# KiCad board backplane.kicad_pcb (continued)
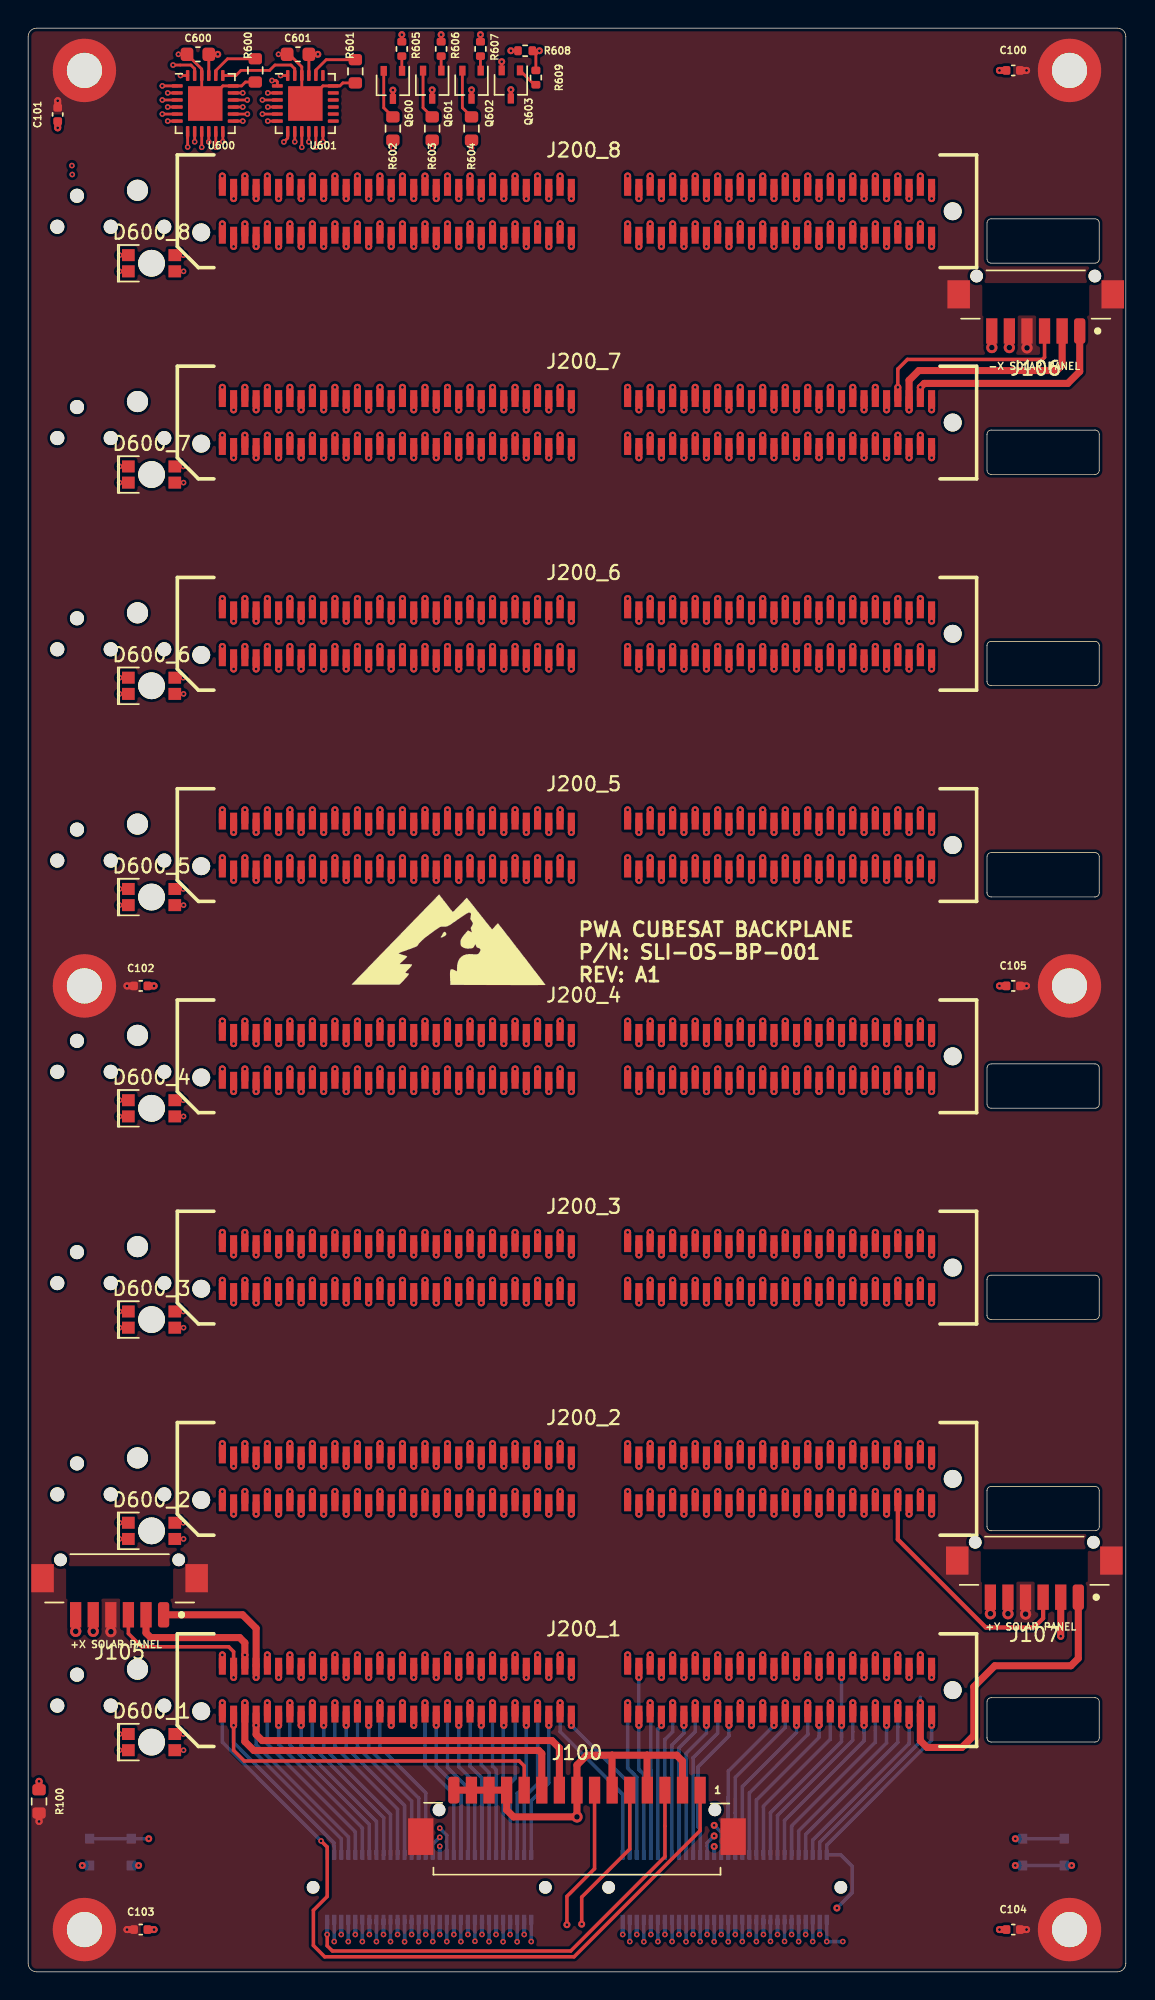
[diagram p0: board, top side]
## Routing (per net, layer and track width the routed paths; a pad name or vN(x,y) marks a point on that pad's centre or on a via; arc(x,y) is an arc through that point) (continued)
/H2-33: length 126.4
  Top w0.5: v1(46.6,122.5) 46.6,123.4 ; v1(46.6,17.5) 46.6,18.4 ; v1(46.6,32.5) 46.6,33.4 ; v1(46.6,47.5) 46.6,48.4 ; v1(46.6,62.5) 46.6,63.4 ; v1(46.6,77.5) 46.6,78.4 ; v1(46.6,92.5) 46.6,93.4 ; v1(46.6,107.5) 46.6,108.4
  In4.Cu w0.5: 46.6,122.5 46.6,112.1 45.8,111.3 45.8,110.28 46.6,109.48 v1(46.6,107.5) ; 46.6,32.5 46.6,22.1 45.8,21.3 45.8,20.28 46.6,19.48 v1(46.6,17.5) ; 46.6,47.5 46.6,37.1 45.8,36.3 45.8,35.28 46.6,34.48 v1(46.6,32.5) ; 46.6,62.5 46.6,52.1 45.8,51.3 45.8,50.28 46.6,49.48 v1(46.6,47.5) ; 46.6,77.5 46.6,67.1 45.8,66.3 45.8,65.28 46.6,64.48 v1(46.6,62.5) ; 46.6,92.5 46.6,82.1 45.8,81.3 45.8,80.28 46.6,79.48 v1(46.6,77.5) ; 46.6,107.5 46.6,97.1 45.8,96.3 45.8,95.28 46.6,94.48 v1(46.6,92.5)
  Bottom w0.25: v1(46.6,17.5) 46.6,16.95 45.75,16.1 J301.15
/H2-34: length 137.5
  Top w0.5: v1(46.6,125.9) 46.6,126.8 ; v1(46.6,20.9) 46.6,21.8 ; v1(46.6,35.9) 46.6,36.8 ; v1(46.6,50.9) 46.6,51.8 ; v1(46.6,65.9) 46.6,66.8 ; v1(46.6,80.9) 46.6,81.8 ; v1(46.6,95.9) 46.6,96.8 ; v1(46.6,110.9) 46.6,111.8
  In2.Cu w0.25: v1(46.6,20.9) 46.6,18.84 45.76,18 v2(45.76,2.15)
  In2.Cu w0.5: 46.6,125.9 46.6,123.68 45.8,122.87 45.8,122.3 46.6,121.5 v1(46.6,110.9) ; 46.6,110.9 46.6,108.68 45.8,107.87 45.8,107.3 46.6,106.5 v1(46.6,95.9) ; 46.6,95.9 46.6,93.68 45.8,92.87 45.8,92.3 46.6,91.5 v1(46.6,80.9) ; v1(46.6,50.9) 46.6,61.5 45.8,62.3 45.8,62.87 46.6,63.68 46.6,65.9 ; 46.6,50.9 46.6,48.68 45.8,47.87 45.8,47.3 46.6,46.5 v1(46.6,35.9) ; 46.6,80.9 46.6,78.68 45.8,77.87 45.8,77.3 46.6,76.5 v1(46.6,65.9) ; 46.6,35.9 46.6,33.68 45.8,32.87 45.8,32.3 46.6,31.5 v1(46.6,20.9)
  Bottom w0.25: 45.76,3.7 v2(45.76,2.15)
/H2-35: length 126.6
  Top w0.5: v1(48.2,122.5) 48.2,123.4 ; v1(48.2,17.5) 48.2,18.4 ; v1(48.2,32.5) 48.2,33.4 ; v1(48.2,47.5) 48.2,48.4 ; v1(48.2,62.5) 48.2,63.4 ; v1(48.2,77.5) 48.2,78.4 ; v1(48.2,92.5) 48.2,93.4 ; v1(48.2,107.5) 48.2,108.4
  In4.Cu w0.5: 48.2,122.5 48.2,112.1 47.4,111.3 47.4,110.28 48.2,109.48 v1(48.2,107.5) ; 48.2,32.5 48.2,22.1 47.4,21.3 47.4,20.28 48.2,19.48 v1(48.2,17.5) ; 48.2,47.5 48.2,37.1 47.4,36.3 47.4,35.28 48.2,34.48 v1(48.2,32.5) ; 48.2,62.5 48.2,52.1 47.4,51.3 47.4,50.28 48.2,49.48 v1(48.2,47.5) ; 48.2,77.5 48.2,67.1 47.4,66.3 47.4,65.28 48.2,64.48 v1(48.2,62.5) ; 48.2,92.5 48.2,82.1 47.4,81.3 47.4,80.28 48.2,79.48 v1(48.2,77.5) ; 48.2,107.5 48.2,97.1 47.4,96.3 47.4,95.28 48.2,94.48 v1(48.2,92.5)
  Bottom w0.25: v1(48.2,17.5) 48.2,16.95 46.75,15.5 J301.19
/H2-36: length 137.7
  Top w0.5: v1(48.2,125.9) 48.2,126.8 ; v1(48.2,20.9) 48.2,21.8 ; v1(48.2,35.9) 48.2,36.8 ; v1(48.2,50.9) 48.2,51.8 ; v1(48.2,65.9) 48.2,66.8 ; v1(48.2,80.9) 48.2,81.8 ; v1(48.2,95.9) 48.2,96.8 ; v1(48.2,110.9) 48.2,111.8
  In2.Cu w0.25: v2(46.75,2.14) 46.75,16.4 47.37,17.02 47.37,17.77 48.2,18.6 v1(48.2,20.9)
  In2.Cu w0.5: 48.2,125.9 48.2,123.68 47.4,122.87 47.4,122.3 48.2,121.5 v1(48.2,110.9) ; 48.2,110.9 48.2,108.68 47.4,107.87 47.4,107.3 48.2,106.5 v1(48.2,95.9) ; 48.2,95.9 48.2,93.68 47.4,92.87 47.4,92.3 48.2,91.5 v1(48.2,80.9) ; v1(48.2,50.9) 48.2,61.5 47.4,62.3 47.4,62.87 48.2,63.68 48.2,65.9 ; v1(48.2,35.9) 48.2,46.5 47.4,47.3 47.4,47.87 48.2,48.68 48.2,50.9 ; 48.2,80.9 48.2,78.68 47.4,77.87 47.4,77.3 48.2,76.5 v1(48.2,65.9) ; v1(48.2,20.9) 48.2,31.5 47.4,32.3 47.4,32.87 48.2,33.68 48.2,35.9
  Bottom w0.25: 46.75,3.69 v2(46.75,2.14)
/H2-37: length 127
  Top w0.5: v1(49.8,122.5) 49.8,123.4 ; v1(49.8,17.5) 49.8,18.4 ; v1(49.8,32.5) 49.8,33.4 ; v1(49.8,47.5) 49.8,48.4 ; v1(49.8,62.5) 49.8,63.4 ; v1(49.8,77.5) 49.8,78.4 ; v1(49.8,92.5) 49.8,93.4 ; v1(49.8,107.5) 49.8,108.4
  In4.Cu w0.5: 49.8,122.5 49.8,112.1 49,111.3 49,110.28 49.8,109.48 v1(49.8,107.5) ; 49.8,32.5 49.8,22.1 49,21.3 49,20.28 49.8,19.48 v1(49.8,17.5) ; 49.8,47.5 49.8,37.1 49,36.3 49,35.28 49.8,34.48 v1(49.8,32.5) ; 49.8,62.5 49.8,52.1 49,51.3 49,50.28 49.8,49.48 v1(49.8,47.5) ; 49.8,77.5 49.8,67.1 49,66.3 49,65.28 49.8,64.48 v1(49.8,62.5) ; 49.8,92.5 49.8,82.1 49,81.3 49,80.28 49.8,79.48 v1(49.8,77.5) ; 49.8,107.5 49.8,97.1 49,96.3 49,95.28 49.8,94.48 v1(49.8,92.5)
  Bottom w0.25: v1(49.8,17.5) 49.8,16.75 47.6,14.55 47.6,10.3 47.75,10.15 J301.23
/H2-38: length 138
  Top w0.5: v1(49.8,125.9) 49.8,126.8 ; v1(49.8,20.9) 49.8,21.8 ; v1(49.8,35.9) 49.8,36.8 ; v1(49.8,50.9) 49.8,51.8 ; v1(49.8,65.9) 49.8,66.8 ; v1(49.8,80.9) 49.8,81.8 ; v1(49.8,95.9) 49.8,96.8 ; v1(49.8,110.9) 49.8,111.8
  In2.Cu w0.25: v1(49.8,20.9) 49.8,18.77 49.03,18 49.03,17.25 47.75,15.97 v2(47.75,2.15)
  In2.Cu w0.5: 49.8,125.9 49.8,123.68 49,122.87 49,122.3 49.8,121.5 v1(49.8,110.9) ; 49.8,110.9 49.8,108.68 49,107.87 49,107.3 49.8,106.5 v1(49.8,95.9) ; 49.8,95.9 49.8,93.68 49,92.87 49,92.3 49.8,91.5 v1(49.8,80.9) ; v1(49.8,50.9) 49.8,61.5 49,62.3 49,62.87 49.8,63.68 49.8,65.9 ; 49.8,50.9 49.8,48.68 49,47.87 49,47.3 49.8,46.5 v1(49.8,35.9) ; 49.8,80.9 49.8,78.68 49,77.87 49,77.3 49.8,76.5 v1(49.8,65.9) ; 49.8,35.9 49.8,33.68 49,32.87 49,32.3 49.8,31.5 v1(49.8,20.9)
  Bottom w0.25: J301.24 v2(47.75,2.15)
/H2-39: length 127.1
  Top w0.5: v1(51.4,122.5) 51.4,123.4 ; v1(51.4,17.5) 51.4,18.4 ; v1(51.4,32.5) 51.4,33.4 ; v1(51.4,47.5) 51.4,48.4 ; v1(51.4,62.5) 51.4,63.4 ; v1(51.4,77.5) 51.4,78.4 ; v1(51.4,92.5) 51.4,93.4 ; v1(51.4,107.5) 51.4,108.4
  In1.Cu w0.25: v1(48.75,8.9) 51.4,11.55 v1(51.4,17.5)
  In4.Cu w0.5: 51.4,122.5 51.4,112.1 50.6,111.3 50.6,110.28 51.4,109.48 v1(51.4,107.5) ; 51.4,32.5 51.4,22.1 50.6,21.3 50.6,20.28 51.4,19.48 v1(51.4,17.5) ; 51.4,47.5 51.4,37.1 50.6,36.3 50.6,35.28 51.4,34.48 v1(51.4,32.5) ; 51.4,62.5 51.4,52.1 50.6,51.3 50.6,50.28 51.4,49.48 v1(51.4,47.5) ; 51.4,77.5 51.4,67.1 50.6,66.3 50.6,65.28 51.4,64.48 v1(51.4,62.5) ; 51.4,92.5 51.4,82.1 50.6,81.3 50.6,80.28 51.4,79.48 v1(51.4,77.5) ; 51.4,107.5 51.4,97.1 50.6,96.3 50.6,95.28 51.4,94.48 v1(51.4,92.5)
  Bottom w0.25: v1(48.75,8.9) J301.27
/H2-40: length 138.9
  Top w0.5: v1(51.4,125.9) 51.4,126.8 ; v1(51.4,20.9) 51.4,21.8 ; v1(51.4,35.9) 51.4,36.8 ; v1(51.4,50.9) 51.4,51.8 ; v1(51.4,65.9) 51.4,66.8 ; v1(51.4,80.9) 51.4,81.8 ; v1(51.4,95.9) 51.4,96.8 ; v1(51.4,110.9) 51.4,111.8
  In1.Cu w0.25: v1(51.4,20.9) 51.4,18.55 52.2,17.75 52.2,11.1 48.75,7.65 v2(48.75,2.14)
  In2.Cu w0.5: 51.4,125.9 51.4,123.68 50.6,122.87 50.6,122.3 51.4,121.5 v1(51.4,110.9) ; v1(51.4,95.9) 51.4,106.5 50.6,107.3 50.6,107.87 51.4,108.68 51.4,110.9 ; v1(51.4,80.9) 51.4,91.5 50.6,92.3 50.6,92.87 51.4,93.68 51.4,95.9 ; v1(51.4,65.9) 51.4,76.5 50.6,77.3 50.6,77.87 51.4,78.68 51.4,80.9 ; 51.4,50.9 51.4,48.68 50.6,47.87 50.6,47.3 51.4,46.5 v1(51.4,35.9) ; v1(51.4,50.9) 51.4,61.5 50.6,62.3 50.6,62.87 51.4,63.68 51.4,65.9 ; 51.4,35.9 51.4,33.68 50.6,32.87 50.6,32.3 51.4,31.5 v1(51.4,20.9)
  Bottom w0.25: 48.75,3.69 v2(48.75,2.14)
/H2-41: length 131.5
  Top w0.5: v1(53,122.5) 53,123.4 ; v1(53,17.5) 53,18.4 ; v1(53,32.5) 53,33.4 ; v1(53,47.5) 53,48.4 ; v1(53,62.5) 53,63.4 ; v1(53,77.5) 53,78.4 ; v1(53,92.5) 53,93.4 ; v1(53,107.5) 53,108.4
  In4.Cu w0.5: 53,122.5 53,112.1 52.2,111.3 52.2,110.28 53,109.48 v1(53,107.5) ; v1(53,17.5) 53,19.48 52.2,20.28 52.2,21.3 53,22.1 53,32.5 ; v1(53,32.5) 53,34.48 52.2,35.28 52.2,36.3 53,37.1 53,47.5 ; v1(53,47.5) 53,49.48 52.2,50.28 52.2,51.3 53,52.1 53,62.5 ; v1(53,62.5) 53,64.48 52.2,65.28 52.2,66.3 53,67.1 53,77.5 ; v1(53,77.5) 53,79.48 52.2,80.28 52.2,81.3 53,82.1 53,92.5 ; v1(53,92.5) 53,94.48 52.2,95.28 52.2,96.3 53,97.1 53,107.5
  Bottom w0.25: 49.75,10.95 49.75,12.46 ; 49.75,10.95 49.75,14.25 v1(53,17.5) ; 49.75,10.95 J301.31 49.75,10.96
/H2-42: length 138.5
  Top w0.5: v1(53,125.9) 53,126.8 ; v1(53,20.9) 53,21.8 ; v1(53,35.9) 53,36.8 ; v1(53,50.9) 53,51.8 ; v1(53,65.9) 53,66.8 ; v1(53,80.9) 53,81.8 ; v1(53,95.9) 53,96.8 ; v1(53,110.9) 53,111.8
  In2.Cu w0.25: v1(53,20.9) 53,18.68 52.22,17.9 52.21,17.9 52.21,12.13 49.75,9.67 v2(49.75,2.14)
  In2.Cu w0.5: 53,125.9 53,123.68 52.2,122.87 52.2,122.3 53,121.5 v1(53,110.9) ; v1(53,95.9) 53,106.5 52.2,107.3 52.2,107.87 53,108.68 53,110.9 ; v1(53,80.9) 53,91.5 52.2,92.3 52.2,92.87 53,93.68 53,95.9 ; v1(53,35.9) 53,46.5 52.2,47.3 52.2,47.87 53,48.68 53,50.9 ; v1(53,65.9) 53,76.5 52.2,77.3 52.2,77.87 53,78.68 53,80.9 ; v1(53,50.9) 53,61.5 52.2,62.3 52.2,62.87 53,63.68 53,65.9 ; v1(53,20.9) 53,31.5 52.2,32.3 52.2,32.87 53,33.68 53,35.9
  Bottom w0.25: 49.75,3.69 v2(49.75,2.14)
/H2-43: length 127.6
  Top w0.5: v1(54.6,122.5) 54.6,123.4 ; v1(54.6,17.5) 54.6,18.4 ; v1(54.6,32.5) 54.6,33.4 ; v1(54.6,47.5) 54.6,48.4 ; v1(54.6,62.5) 54.6,63.4 ; v1(54.6,77.5) 54.6,78.4 ; v1(54.6,92.5) 54.6,93.4 ; v1(54.6,107.5) 54.6,108.4
  In4.Cu w0.5: 54.6,122.5 54.6,112.1 53.8,111.3 53.8,110.28 54.6,109.48 v1(54.6,107.5) ; v1(54.6,17.5) 54.6,19.48 53.8,20.28 53.8,21.3 54.6,22.1 54.6,32.5 ; v1(54.6,32.5) 54.6,34.48 53.8,35.28 53.8,36.3 54.6,37.1 54.6,47.5 ; v1(54.6,47.5) 54.6,49.48 53.8,50.28 53.8,51.3 54.6,52.1 54.6,62.5 ; v1(54.6,62.5) 54.6,64.48 53.8,65.28 53.8,66.3 54.6,67.1 54.6,77.5 ; v1(54.6,77.5) 54.6,79.48 53.8,80.28 53.8,81.3 54.6,82.1 54.6,92.5 ; v1(54.6,92.5) 54.6,94.48 53.8,95.28 53.8,96.3 54.6,97.1 54.6,107.5
  Bottom w0.25: v1(54.6,17.5) 54.6,17 50.75,13.15 J301.35
/H2-44: length 138.7
  Top w0.5: v1(54.6,125.9) 54.6,126.8 ; v1(54.6,20.9) 54.6,21.8 ; v1(54.6,35.9) 54.6,36.8 ; v1(54.6,50.9) 54.6,51.8 ; v1(54.6,65.9) 54.6,66.8 ; v1(54.6,80.9) 54.6,81.8 ; v1(54.6,95.9) 54.6,96.8 ; v1(54.6,110.9) 54.6,111.8
  In2.Cu w0.25: v2(50.75,2.15) 50.75,9.62 53.82,12.69 53.8,12.71 53.8,17.9 54.6,18.7 v1(54.6,20.9)
  In2.Cu w0.5: 54.6,125.9 54.6,123.68 53.8,122.87 53.8,122.3 54.6,121.5 v1(54.6,110.9) ; 54.6,110.9 54.6,108.68 53.8,107.87 53.8,107.3 54.6,106.5 v1(54.6,95.9) ; 54.6,95.9 54.6,93.68 53.8,92.87 53.8,92.3 54.6,91.5 v1(54.6,80.9) ; v1(54.6,50.9) 54.6,61.5 53.8,62.3 53.8,62.87 54.6,63.68 54.6,65.9 ; 54.6,50.9 54.6,48.68 53.8,47.87 53.8,47.3 54.6,46.5 v1(54.6,35.9) ; 54.6,80.9 54.6,78.68 53.8,77.87 53.8,77.3 54.6,76.5 v1(54.6,65.9) ; 54.6,35.9 54.6,33.68 53.8,32.87 53.8,32.3 54.6,31.5 v1(54.6,20.9)
  Bottom w0.25: J301.36 v2(50.75,2.15)
/H2-45: length 127.9
  Top w0.5: 56.2,122.5 v1(56.2,122.52) 56.2,123.4 ; 56.2,17.5 v1(56.2,17.52) 56.2,18.4 ; 56.2,32.5 v1(56.2,32.52) 56.2,33.4 ; 56.2,47.5 v1(56.2,47.52) 56.2,48.4 ; 56.2,62.5 v1(56.2,62.52) 56.2,63.4 ; 56.2,77.5 v1(56.2,77.52) 56.2,78.4 ; 56.2,92.5 v1(56.2,92.52) 56.2,93.4 ; 56.2,107.5 v1(56.2,107.52) 56.2,108.4
  In4.Cu w0.5: 56.2,122.5 56.2,112.1 55.4,111.3 55.4,110.28 56.2,109.48 56.2,107.5 ; 56.2,17.5 56.2,19.48 55.4,20.28 55.4,21.3 56.2,22.1 56.2,32.5 ; 56.2,32.5 56.2,34.48 55.4,35.28 55.4,36.3 56.2,37.1 56.2,47.5 ; 56.2,47.5 56.2,49.48 55.4,50.28 55.4,51.3 56.2,52.1 56.2,62.5 ; 56.2,62.5 56.2,64.48 55.4,65.28 55.4,66.3 56.2,67.1 56.2,77.5 ; 56.2,77.5 56.2,79.48 55.4,80.28 55.4,81.3 56.2,82.1 56.2,92.5 ; 56.2,92.5 56.2,94.48 55.4,95.28 55.4,96.3 56.2,97.1 56.2,107.5
  Bottom w0.25: J301.39 51.75,12.2 56.2,16.65 56.2,17.5
/H2-46: length 139
  Top w0.5: 56.2,125.9 56.2,126.8 ; 56.2,20.9 56.2,21.8 ; 56.2,35.9 56.2,36.8 ; 56.2,50.9 56.2,51.8 ; 56.2,65.9 56.2,66.8 ; 56.2,80.9 56.2,81.8 ; 56.2,95.9 56.2,96.8 ; 56.2,110.9 56.2,111.8
  In2.Cu w0.25: 56.2,20.9 56.2,18.72 55.41,17.93 55.41,13.18 51.75,9.52 v2(51.75,2.15)
  In2.Cu w0.5: v1(56.2,125.9) 56.2,123.68 55.4,122.87 55.4,122.3 56.2,121.5 56.2,110.9 ; v1(56.2,110.9) 56.2,108.68 55.4,107.87 55.4,107.3 56.2,106.5 56.2,95.9 ; v1(56.2,95.9) 56.2,93.68 55.4,92.87 55.4,92.3 56.2,91.5 56.2,80.9 ; 56.2,50.9 56.2,61.5 55.4,62.3 55.4,62.87 56.2,63.68 v1(56.2,65.9) ; v1(56.2,50.9) 56.2,48.68 55.4,47.87 55.4,47.3 56.2,46.5 56.2,35.9 ; v1(56.2,80.9) 56.2,78.68 55.4,77.87 55.4,77.3 56.2,76.5 56.2,65.9 ; v1(56.2,35.9) 56.2,33.68 55.4,32.87 55.4,32.3 56.2,31.5 56.2,20.9
  Bottom w0.25: J301.40 v2(51.75,2.15)
  vias: v1(56.2,20.9)
/H2-49: length 128.5
  Top w0.5: v1(59.4,122.5) 59.4,123.4 ; v1(59.4,17.5) 59.4,18.4 ; v1(59.4,32.5) 59.4,33.4 ; v1(59.4,47.5) 59.4,48.4 ; v1(59.4,62.5) 59.4,63.4 ; v1(59.4,77.5) 59.4,78.4 ; v1(59.4,92.5) 59.4,93.4 ; v1(59.4,107.5) 59.4,108.4
  In4.Cu w0.5: 59.4,122.5 59.4,112.1 58.6,111.3 58.6,110.28 59.4,109.48 v1(59.4,107.5) ; 59.4,32.5 59.4,22.1 58.6,21.3 58.6,20.28 59.4,19.48 v1(59.4,17.5) ; 59.4,47.5 59.4,37.1 58.6,36.3 58.6,35.28 59.4,34.48 v1(59.4,32.5) ; 59.4,62.5 59.4,52.1 58.6,51.3 58.6,50.28 59.4,49.48 v1(59.4,47.5) ; 59.4,77.5 59.4,67.1 58.6,66.3 58.6,65.28 59.4,64.48 v1(59.4,62.5) ; 59.4,92.5 59.4,82.1 58.6,81.3 58.6,80.28 59.4,79.48 v1(59.4,77.5) ; 59.4,107.5 59.4,97.1 58.6,96.3 58.6,95.28 59.4,94.48 v1(59.4,92.5)
  Bottom w0.25: 59.4,16.99 59.4,17.15 ; 59.4,17.15 59.4,16.4 53.75,10.75 J301.47 ; 59.4,17.15 v1(59.4,17.5)
/H2-50: length 139.5
  Top w0.5: v1(59.4,125.9) 59.4,126.8 ; v1(59.4,20.9) 59.4,21.8 ; v1(59.4,35.9) 59.4,36.8 ; v1(59.4,50.9) 59.4,51.8 ; v1(59.4,65.9) 59.4,66.8 ; v1(59.4,80.9) 59.4,81.8 ; v1(59.4,95.9) 59.4,96.8 ; v1(59.4,110.9) 59.4,111.8
  In2.Cu w0.25: v2(53.75,2.16) 53.75,9.41 58.6,14.26 58.6,17.94 58.61,17.94 59.41,18.74 59.4,18.75 v1(59.4,20.9)
  In2.Cu w0.5: 59.4,125.9 59.4,123.68 58.6,122.87 58.6,122.3 59.4,121.5 v1(59.4,110.9) ; v1(59.4,95.9) 59.4,106.5 58.6,107.3 58.6,107.87 59.4,108.68 59.4,110.9 ; v1(59.4,80.9) 59.4,91.5 58.6,92.3 58.6,92.87 59.4,93.68 59.4,95.9 ; v1(59.4,65.9) 59.4,76.5 58.6,77.3 58.6,77.87 59.4,78.68 59.4,80.9 ; v1(59.4,35.9) 59.4,46.5 58.6,47.3 58.6,47.87 59.4,48.68 59.4,50.9 ; v1(59.4,50.9) 59.4,61.5 58.6,62.3 58.6,62.87 59.4,63.68 59.4,65.9 ; v1(59.4,20.9) 59.4,31.5 58.6,32.3 58.6,32.87 59.4,33.68 59.4,35.9
  Bottom w0.25: 53.75,3.71 v2(53.75,2.16)
/H2-51: length 128.9
  Top w0.5: v1(61,122.5) 61,123.4 ; v1(61,17.5) 61,18.4 ; v1(61,32.5) 61,33.4 ; v1(61,47.5) 61,48.4 ; v1(61,62.5) 61,63.4 ; v1(61,77.5) 61,78.4 ; v1(61,92.5) 61,93.4 ; v1(61,107.5) 61,108.4
  In4.Cu w0.5: 61,122.5 61,112.1 60.2,111.3 60.2,110.28 61,109.48 v1(61,107.5) ; 61,32.5 61,22.1 60.2,21.3 60.2,20.28 61,19.48 v1(61,17.5) ; 61,47.5 61,37.1 60.2,36.3 60.2,35.28 61,34.48 v1(61,32.5) ; 61,62.5 61,52.1 60.2,51.3 60.2,50.28 61,49.48 v1(61,47.5) ; 61,77.5 61,67.1 60.2,66.3 60.2,65.28 61,64.48 v1(61,62.5) ; 61,92.5 61,82.1 60.2,81.3 60.2,80.28 61,79.48 v1(61,77.5) ; 61,107.5 61,97.1 60.2,96.3 60.2,95.28 61,94.48 v1(61,92.5)
  Bottom w0.25: 61,17.23 v1(61,17.5) 61,16.25 54.75,10 J301.51
/H2-52: length 139.7
  Top w0.5: v1(61,125.9) 61,126.8 ; v1(61,20.9) 61,21.8 ; v1(61,35.9) 61,36.8 ; v1(61,50.9) 61,51.8 ; v1(61,65.9) 61,66.8 ; v1(61,80.9) 61,81.8 ; v1(61,95.9) 61,96.8 ; v1(61,110.9) 61,111.8
  In2.Cu w0.25: v1(61,20.9) 61,18.85 60.2,18.05 60.2,14.78 54.75,9.33 v2(54.75,2.15)
  In2.Cu w0.5: 61,125.9 61,123.68 60.2,122.87 60.2,122.3 61,121.5 v1(61,110.9) ; 61,110.9 61,108.68 60.2,107.87 60.2,107.3 61,106.5 v1(61,95.9) ; 61,95.9 61,93.68 60.2,92.87 60.2,92.3 61,91.5 v1(61,80.9) ; v1(61,50.9) 61,61.5 60.2,62.3 60.2,62.87 61,63.68 61,65.9 ; v1(61,35.9) 61,46.5 60.2,47.3 60.2,47.87 61,48.68 61,50.9 ; 61,80.9 61,78.68 60.2,77.87 60.2,77.3 61,76.5 v1(61,65.9) ; v1(61,20.9) 61,31.5 60.2,32.3 60.2,32.87 61,33.68 61,35.9
  Bottom w0.25: J301.52 v2(54.75,2.15)
/LED Driver/B1: length 138.7
  Top w0.2: 10.42,15.74 v2(11.04,15.74) ; U600.2 9.84,133.4
  In4.Cu w0.2: 4.66,132.11 0.42,127.86 0.42,126.19 ; 4.66,132.11 5.96,133.4 v2(9.92,133.4) ; 4.66,132.11 4.96,132.41 ; 0.42,94.74 0.42,95.38 ; 0.42,94.74 0.42,16.41 1.67,15.16 10.47,15.16 v2(11.04,15.74) ; 0.42,94.74 0.42,126.19 ; 0.42,126.19 0.42,127.79
/LED Driver/B2: length 130.9
  Top w0.2: 10.42,30.74 v2(11.04,30.74) ; v2(9.54,131.9) U600.5
  In4.Cu w0.2: 2.31,128.48 5.73,131.9 v2(9.54,131.9) ; 2.31,128.48 2.51,128.69 ; 2.31,128.48 1.32,127.49 1.32,125.74 ; 1.32,125.74 1.32,114.67 ; 1.32,125.74 1.32,127.05 ; 1.32,76.62 1.32,95.8 ; 1.32,76.62 1.32,59.04 ; 1.32,76.62 1.32,77.14 ; 1.32,95.8 1.32,96.58 ; 1.32,95.8 1.32,114.67 ; 1.32,42.42 1.32,31.66 2.82,30.16 10.47,30.16 v2(11.04,30.74) ; 1.32,42.42 1.32,36.25 ; 1.32,42.42 1.32,48.04 ; 1.32,59.04 1.32,61.34 ; 1.32,59.04 1.32,48.04 ; 1.32,48.04 1.32,48.7 ; 1.32,114.67 1.32,115.37
/LED Driver/B3: length 104.7
  Top w0.2: 10.42,45.74 v2(11.04,45.74) ; 11.83,130.66 v2(11.83,129.93)
  In3.Cu w0.2: v2(11.04,45.74) 10.47,45.16 3.98,45.16 0.92,48.22 0.92,127.92 2.15,129.16 11.53,129.16 11.83,129.47 v2(11.83,129.93)
/LED Driver/B4: length 93.5
  Top w0.2: 10.42,60.74 v2(11.04,60.74) ; 13.33,130.66 v2(13.33,129.55)
  In2.Cu w0.2: 12.93,129.14 v2(13.33,129.55) 12.83,129.05 2.9,129.05 0.57,126.72 0.57,61.17 2.22,59.51 9.82,59.51 v2(11.04,60.74)
/LED Driver/B5: length 80
  Top w0.2: 10.42,75.74 v2(11.04,75.74) ; U600.14 v2(15.58,131.9)
  In1.Cu w0.2: v2(15.58,131.9) 11.57,131.9 10.45,130.78 4.63,130.78 0.27,126.42 0.27,77.77 2.88,75.16 10.47,75.16 v2(11.04,75.74)
/LED Driver/B6: length 63.7
  Top w0.2: 10.42,90.73 v2(11.04,90.73) ; U600.17 15.33,133.4
  In1.Cu w0.2: 3.16,127.61 v2(3.14,127.61) 1.17,125.64 1.17,91.28 2.37,90.07 10.38,90.07 v2(11.04,90.73)
  In4.Cu w0.2: v2(3.14,127.61) 6.53,131 12.85,131 v2(15.25,133.4)
/LED Driver/B7: length 45.3
  Top w0.2: U601.4 16.96,132.4 ; 10.42,105.73 v2(11.04,105.73)
  In2.Cu w0.2: v2(17.03,132.4) 16.46,132.4 16.25,132.19 16.25,131.03 13.37,128.15 7.2,128.15 2.77,123.71 2.77,110.76 2.8,110.73 2.8,107.9 5.55,105.16 10.47,105.16 v2(11.04,105.73)
/LED Driver/B8: length 27.3
  Top w0.2: v2(18.17,129.92) 18.45,130.19 18.45,130.66 ; 10.42,120.73 v2(11.04,120.73)
  In4.Cu w0.2: v2(18.17,129.92) 16.52,128.27 8.14,128.27 4.96,125.09 4.96,121.29 6.09,120.16 10.47,120.16 v2(11.04,120.73)
/LED Driver/G1: length 130.3
  Top w0.2: D600_1.2 v2(6.5,15.74) ; v2(9.54,132.9) U600.3
  In4.Cu w0.2: v2(6.5,15.74) 1.52,15.74 0.72,16.53 0.72,127.74 4.45,131.47 ; 4.45,131.47 5.88,132.9 v2(9.54,132.9) ; 4.45,131.47 4.7,131.72
/LED Driver/G2: length 148.8
  Top w0.2: D600_2.2 v2(6.5,30.74) ; U600.6 9.83,131.4
  In3.Cu w0.2: 0.32,125.6 0.32,97.03 ; 0.32,125.6 0.32,128.17 3.19,131.04 ; 0.32,125.6 0.32,33.88 ; 0.32,125.6 0.32,126.85 ; 3.19,131.04 3.54,131.39 ; 3.19,131.04 3.55,131.4 v2(9.92,131.4) ; v2(6.5,30.74) 3.46,30.74 0.32,33.88 ; 0.32,33.88 0.32,38.3
/LED Driver/G3: length 99.6
  Top w0.2: D600_3.2 v2(6.5,45.74) ; 12.33,130.66 v2(12.33,129.54)
  In3.Cu w0.2: v2(12.33,129.54) 12.33,129.26 11.86,128.79 2.21,128.79 1.22,127.8 1.22,48.35 3.83,45.74 v2(6.5,45.74)
/LED Driver/G4: length 87
  Top w0.2: D600_4.2 v2(6.5,60.74) ; 13.83,130.66 v2(13.83,129.94)
  In2.Cu w0.2: v2(13.83,129.94) 13.83,129.46 13.12,128.75 3.02,128.75 0.87,126.59 0.87,104.02 0.87,104.01 0.87,73.38 0.87,73.37 0.87,61.6 1.73,60.74 v2(6.5,60.74)
/LED Driver/G5: length 75.7
  Top w0.2: D600_5.2 v2(6.5,75.74) ; U600.15 15.31,132.4
  In1.Cu w0.2: v2(6.5,75.74) 2.72,75.74 0.57,77.89 0.57,126.29 4.76,130.48 15.08,130.48 15.98,131.39 15.98,132.09 15.67,132.4 v2(15.25,132.4)
/LED Driver/G6: length 61.8
  Top w0.2: U601.2 16.95,133.4 ; D600_6.2 v2(6.5,90.73)
  In4.Cu w0.2: 2.77,121.5 2.77,110.76 2.77,110.76 2.77,96.44 2.77,94.46 v2(6.5,90.73) ; 2.77,121.5 2.77,123.12 ; 2.77,121.5 2.77,123.74 ; 8.11,129.08 9.74,129.08 ; 8.11,129.08 7.44,128.41 7.9,128.87 ; 8.11,129.08 4.85,125.82 ; 2.77,123.12 2.77,123.56 ; 2.77,123.12 2.77,123.74 ; 9.74,129.08 13.57,129.08 15.98,131.5 15.98,133.07 16.31,133.4 v2(17.03,133.4) ; 9.74,129.08 8.27,129.08 ; 2.77,123.74 4.85,125.82 ; 4.85,125.82 4.17,125.14
/LED Driver/G7: length 38
  Top w0.2: v2(16.65,131.9) U601.5 ; D600_7.2 v2(6.5,105.73)
  In3.Cu w0.2: v2(6.5,105.73) 4.53,107.7 4.53,126.54 5.63,127.64 11.46,127.64 11.47,127.64 12.97,127.64 16.28,130.95 16.28,131.53 v2(16.65,131.9)
/LED Driver/G8: length 19
  Top w0.2: 18.95,130.66 v2(18.95,129.93) ; D600_8.2 v2(6.5,120.73)
  In1.Cu w0.2: v2(6.5,120.73) 6.1,121.13 6.1,122.08 13.18,129.15 18.16,129.15 v2(18.95,129.93)
/LED Driver/LATCH_LED: length 25.8
  Top w0.2: U601.1 17.71,134.19 17.62,134.28 v2(17.33,134.28) ; U600.1 9.45,133.9
  Top w0.3: Q602.3 v1(31.51,133.62)
  In1.Cu w0.2: 17.37,134.24 v2(17.33,134.28) ; v2(17.33,134.28) 19.02,132.59 30.48,132.59 v1(31.51,133.62) ; v2(17.33,134.28) 16.95,133.9 v2(9.54,133.9)
/LED Driver/R1: length 128.5
  Top w0.2: D600_1.1 v2(6.5,16.89) ; U600.4 9.85,132.4
  In4.Cu w0.2: 1.02,18.08 1.02,18.29 ; 1.02,18.29 1.02,17.69 1.82,16.89 v2(6.5,16.89) ; 1.02,18.29 1.02,127.62 3.78,130.37 ; 3.78,130.37 5.8,132.4 v2(9.92,132.4) ; 3.78,130.37 4.02,130.61
/LED Driver/R2: length 117.2
  Top w0.2: D600_2.1 v2(6.5,31.89) ; v2(11.33,129.56) 11.33,130.66 11.33,130.19
  In3.Cu w0.2: 0.62,128.04 1.65,129.07 ; 0.62,128.04 0.62,34.01 2.74,31.89 v2(6.5,31.89) ; 0.62,128.04 2.13,129.56 ; 1.65,129.07 2.13,129.56 ; 1.65,129.07 2.13,129.56 ; 2.13,129.56 v2(11.33,129.56)
/LED Driver/R3: length 101.6
  Top w0.2: D600_3.1 v2(6.5,46.89) ; 12.83,130.66 v2(12.83,129.93)
  In2.Cu w0.2: 0.27,121.84 0.27,122.45 ; 0.27,121.84 0.27,126.84 3.76,130.33 12.43,130.33 v2(12.83,129.93) ; 0.27,121.84 0.27,103.66 ; 0.27,103.66 0.27,49.1 2.48,46.89 v2(6.5,46.89) ; 0.27,103.66 0.27,104.19
/LED Driver/R4: length 88.8
  Top w0.2: D600_4.1 v2(6.5,61.89) ; 15.33,131.4 U600.13
  In2.Cu w0.2: 15.25,130.45 13.25,128.45 ; 15.25,130.45 13.25,128.45 ; 15.25,130.45 v2(15.25,131.4) ; 13.25,128.45 4.78,128.45 1.17,124.83 1.17,104.79 1.17,104.78 1.17,73.26 1.17,73.25 1.17,63.77 3.05,61.89 v2(6.5,61.89)
/LED Driver/R5: length 74.6
  Top w0.2: D600_5.1 v2(6.5,76.89) ; U600.16 v2(15.57,132.9)
  In1.Cu w0.2: v2(6.5,76.89) 2,76.89 0.87,78.02 0.87,126 v2(3.11,128.24)
  In3.Cu w0.2: v2(3.11,128.24) 12.73,128.24 14.31,129.83 14.31,132.05 15.16,132.9 v2(15.57,132.9)
/LED Driver/R6: length 55.8
  Top w0.2: v2(16.65,132.9) U601.3 ; D600_6.1 v2(6.5,91.88)
  In3.Cu w0.2: v2(6.5,91.88) 5.1,91.88 2.77,94.22 2.77,96.44 2.77,110.76 2.77,125.76 2.77,126.44 4.28,127.94 12.85,127.94 15.98,131.07 15.98,132.23 v2(16.65,132.9)
/LED Driver/R7: length 35.4
  Top w0.2: U601.6 16.95,131.4 ; D600_7.1 v2(6.5,106.88)
  In4.Cu w0.2: v2(6.5,106.88) 4.66,108.72 4.66,125.21 8.02,128.57 14.2,128.57 v2(17.03,131.4)
/LED Driver/R8: length 17.9
  Top w0.2: 19.45,130.66 v2(19.45,129.54) ; 7.12,121.88 v2(6.5,121.88)
  In1.Cu w0.2: v2(19.45,129.54) 18.55,128.65 13.27,128.65 v2(6.5,121.88)
/LED Driver/SCLK_LED: length 18
  Top w0.2: U600.24 v2(10.82,134.64) ; Q600.3 25.92,132.84 ; U601.24 v2(17.94,134.64)
  Top w0.3: Q600.3 v1(25.92,133.6)
  In1.Cu w0.2: v1(25.92,133.6) 24.88,134.64 v2(17.94,134.64) 17.08,135.49 11.68,135.49 v2(10.82,134.64)
/LED Driver/SIN_LED: length 23
  Top w0.2: v2(10.3,135.38) 11.57,135.38 11.83,135.12 U600.23
  Top w0.3: Q601.3 v1(28.71,133.62)
  In1.Cu w0.2: v1(28.71,133.62) 25.6,136.73 11.93,136.73 10.58,135.38 v2(10.3,135.38)
/LED Driver/SOUT_LED_1: length 6
  Top w0.2: U600.19 14.76,134.64 15.12,135 17.16,135 17.54,135.38 18.68,135.38 18.95,135.12 U601.23
/LED Driver/~{enable}: length 14.9
  Top w0.2: v1(32.14,137.54) R607.1 ; R606.1 v1(29.35,137.54) ; R608.2 v1(34.3,136.4) ; v1(26.55,137.54) R605.1
  Top w0.3: Q603.3 v1(34.3,133.64)
  In1.Cu w0.2: v1(34.3,133.64) v1(34.3,136.4) 33.16,137.54 ; 33.16,137.54 v1(32.14,137.54) v1(29.35,137.54) v1(26.55,137.54) ; 33.16,137.54 34.05,136.65
/RBF: length 128.5
  Top w0.5: v1(28.2,124.1) 28.2,123.2 ; v1(28.2,19.1) 28.2,18.2 ; v1(28.2,34.1) 28.2,33.2 ; v1(28.2,49.1) 28.2,48.2 ; v1(28.2,64.1) 28.2,63.2 ; v1(28.2,79.1) 28.2,78.2 ; v1(28.2,94.1) 28.2,93.2 ; v1(28.2,109.1) 28.2,108.2
  In1.Cu w0.5: v1(28.2,124.1) 28.2,122.3 29,121.5 29,112.1 28.2,111.3 v1(28.2,109.1) 28.2,107.3 29,106.5 29,97.1 28.2,96.3 v1(28.2,94.1) 28.2,92.3 29,91.5 29,82.1 28.2,81.3 v1(28.2,79.1) 28.2,77.3 29,76.5 29,67.1 28.2,66.3 v1(28.2,64.1) 28.2,62.3 29,61.5 29,52.1 28.2,51.3 v1(28.2,49.1) 28.2,47.3 29,46.5 29,37.1 28.2,36.3 v1(28.2,34.1) 28.2,32.3 29,31.5 29,22.1 28.2,21.3 v1(28.2,19.1)
  Bottom w0.25: J300.37 30.25,12.6 28.2,14.65 v1(28.2,19.1)
/SELF_TEST: length 151.5
  Top w0.5: v1(57,124.1) 57,123.2 ; v1(57,19.1) 57,18.2 ; v1(57,34.1) 57,33.2 ; v1(57,49.1) 57,48.2 ; v1(57,64.1) 57,63.2 ; v1(57,79.1) 57,78.2 ; v1(57,94.1) 57,93.2 ; v1(57,109.1) 57,108.2
  In1.Cu w0.25: v1(70.15,9.45) 64.5,9.45 57,16.95 v1(57,19.1)
  In1.Cu w0.5: v1(57,124.1) 57,122.3 57.8,121.5 57.8,112.1 57,111.3 v1(57,109.1) 57,107.3 57.8,106.5 57.8,97.1 57,96.3 v1(57,94.1) 57,92.3 57.8,91.5 57.8,82.1 57,81.3 v1(57,79.1) 57,77.3 57.8,76.5 57.8,67.1 57,66.3 v1(57,64.1) 57,62.3 57.8,61.5 57.8,52.1 57,51.3 v1(57,49.1) 57,47.3 57.8,46.5 57.8,37.1 57,36.3 v1(57,34.1) 57,32.3 57.8,31.5 57.8,22.1 57,21.3 v1(57,19.1)
  Bottom w0.25: J301.41 52.25,11.76 57,16.51 v1(57,19.1) ; 73.62,9.45 70.68,9.45
  Bottom w0.5: v1(70.15,9.45) 70.68,9.45
/SEP1: length 173.2
  Top w0.25: J100.1 47.75,10.03 38.79,1.07 21.07,1.07 20.27,1.87 20.27,4.37 21.25,5.35 21.25,8.86 v2(20.82,9.3)
  Top w0.5: v1(13.8,124.1) 13.8,123.2 ; v1(13.8,19.1) 13.8,18.2 ; v1(13.8,34.1) 13.8,33.2 ; v1(13.8,49.1) 13.8,48.2 ; v1(13.8,64.1) 13.8,63.2 ; v1(13.8,79.1) 13.8,78.2 ; v1(13.8,94.1) 13.8,93.2 ; v1(13.8,109.1) 13.8,108.2
  In1.Cu w0.25: 14.6,27.62 14.6,27.53
  In1.Cu w0.3: 13.8,122.3 13.8,122.3
  In1.Cu w0.5: v1(13.8,19.1) 13.8,21.3 14.6,22.1 14.6,31.5 13.8,32.3 v1(13.8,34.1) 13.8,36.3 14.6,37.1 14.6,46.5 13.8,47.3 v1(13.8,49.1) 13.8,51.3 14.6,52.1 14.6,61.5 13.8,62.3 v1(13.8,64.1) 13.8,66.3 14.6,67.1 14.6,76.5 13.8,77.3 v1(13.8,79.1) 13.8,81.3 14.6,82.1 14.6,91.5 13.8,92.3 v1(13.8,94.1) 13.8,96.3 14.6,97.1 14.6,106.5 13.8,107.3 v1(13.8,109.1) 13.8,111.3 14.6,112.1 14.6,121.5 13.8,122.3 v1(13.8,124.1)
  Bottom w0.25: v1(13.8,19.1) 13.8,16.31 v2(20.82,9.3) 21.25,8.86 J300.1
/SEP2: length 174.5
  Top w0.25: J100.3 45.25,8.18 38.55,1.48 21.62,1.48 21.25,1.85 v2(21.25,2.65)
  Top w0.3: v2(21.25,2.65) 21.23,2.65
  Top w0.5: v1(13.8,22.5) 13.8,21.6 ; v1(13.8,37.5) 13.8,36.6 ; v1(13.8,52.5) 13.8,51.6 ; v1(13.8,67.5) 13.8,66.6 ; v1(13.8,82.5) 13.8,81.6 ; v1(13.8,97.5) 13.8,96.6 ; v1(13.8,112.5) 13.8,111.6 ; v1(13.8,127.5) 13.8,126.6
  In3.Cu w0.25: 13.78,14.47 13.78,17.69 14.63,18.54 14.63,19.42 13.8,20.25 v1(13.8,22.5) ; 13.78,14.47 13.78,10.11 19.35,4.55 ; 13.78,14.47 13.78,15.03
  In3.Cu w0.3: 19.35,4.55 21.24,2.65 v2(21.25,2.65)
  In3.Cu w0.5: v1(13.8,127.5) 13.8,125.5 14.6,124.65 14.6,123.67 13.8,122.87 v1(13.8,112.5) 13.8,110.5 14.6,109.65 14.6,108.67 13.8,107.87 v1(13.8,97.5) 13.8,95.5 14.6,94.65 14.6,93.67 13.8,92.87 v1(13.8,82.5) 13.8,80.5 14.6,79.65 14.6,78.67 13.8,77.87 v1(13.8,67.5) 13.8,65.5 14.6,64.65 14.6,63.67 13.8,62.87 v1(13.8,52.5) 13.8,50.5 14.6,49.65 14.6,48.67 13.8,47.87 v1(13.8,37.5) 13.8,35.5 14.6,34.65 14.6,33.67 13.8,32.87 v1(13.8,22.5)
  Bottom w0.3: v2(21.25,2.65) J300.2
/SEP3: length 167.5
  Top w0.25: v1(39.34,3.39) 39.34,5.31 42.75,8.72 J100.5
  Top w0.5: v1(64.2,122.5) 64.2,123.4 ; v1(64.2,17.5) 64.2,18.4 ; v1(64.2,32.5) 64.2,33.4 ; v1(64.2,47.5) 64.2,48.4 ; v1(64.2,62.5) 64.2,63.4 ; v1(64.2,77.5) 64.2,78.4 ; v1(64.2,92.5) 64.2,93.4 ; v1(64.2,107.5) 64.2,108.4
  In2.Cu w0.25: v1(39.34,3.39) 39.34,3.31 41,1.64 57.16,1.64 57.46,1.95 57.46,4.52 v1(57.47,4.53)
  In4.Cu w0.5: 64.2,122.5 64.2,112.1 63.4,111.3 63.4,110.28 64.2,109.48 v1(64.2,107.5) ; 64.2,32.5 64.2,22.1 63.4,21.3 63.4,20.28 64.2,19.48 v1(64.2,17.5) ; 64.2,47.5 64.2,37.1 63.4,36.3 63.4,35.28 64.2,34.48 v1(64.2,32.5) ; 64.2,62.5 64.2,52.1 63.4,51.3 63.4,50.28 64.2,49.48 v1(64.2,47.5) ; 64.2,77.5 64.2,67.1 63.4,66.3 63.4,65.28 64.2,64.48 v1(64.2,62.5) ; 64.2,92.5 64.2,82.1 63.4,81.3 63.4,80.28 64.2,79.48 v1(64.2,77.5) ; 64.2,107.5 64.2,97.1 63.4,96.3 63.4,95.28 64.2,94.48 v1(64.2,92.5)
  Bottom w0.25: J301.59 57.75,8.3 58.55,7.5 58.55,5.61 v1(57.47,4.53) ; J301.59 56.75,9 64.2,16.45 v1(64.2,17.5) 64.2,17.5 ; J301.59 56.75,8.65
/SEP4: length 172.8
  Top w0.25: v1(38.29,3.34) 38.29,5.36 40.25,7.32 J100.7
  Top w0.5: v1(64.2,125.9) 64.2,126.8 ; v1(64.2,20.9) 64.2,21.8 ; v1(64.2,35.9) 64.2,36.8 ; v1(64.2,50.9) 64.2,51.8 ; v1(64.2,65.9) 64.2,66.8 ; v1(64.2,80.9) 64.2,81.8 ; v1(64.2,95.9) 64.2,96.8 ; v1(64.2,110.9) 64.2,111.8
  In2.Cu w0.25: v1(38.29,3.34) 40.41,1.22 57.3,1.22 57.9,1.82 57.89,1.83 v2(57.89,2.15) ; v2(56.75,2.15) 56.75,9.55 63.42,16.22 63.42,18.12 64.2,18.9 v1(64.2,20.9)
  In2.Cu w0.5: 64.2,125.9 64.2,123.68 63.4,122.87 63.4,122.3 64.2,121.5 v1(64.2,110.9) ; v1(64.2,95.9) 64.2,106.5 63.4,107.3 63.4,107.87 64.2,108.68 64.2,110.9 ; v1(64.2,80.9) 64.2,91.5 63.4,92.3 63.4,92.87 64.2,93.68 64.2,95.9 ; v1(64.2,35.9) 64.2,46.5 63.4,47.3 63.4,47.87 64.2,48.68 64.2,50.9 ; v1(64.2,65.9) 64.2,76.5 63.4,77.3 63.4,77.87 64.2,78.68 64.2,80.9 ; v1(64.2,50.9) 64.2,61.5 63.4,62.3 63.4,62.87 64.2,63.68 64.2,65.9 ; v1(64.2,20.9) 64.2,31.5 63.4,32.3 63.4,32.87 64.2,33.68 64.2,35.9
  Bottom w0.25: J301.60 v2(56.75,2.15) v2(57.89,2.15)
/USER_1: length 166.5
  Top w0.2: R604.2 v2(31.51,129.49)
  Top w0.5: v1(57,127.5) 57,126.6 ; v1(57,22.5) 57,21.6 ; v1(57,37.5) 57,36.6 ; v1(57,52.5) 57,51.6 ; v1(57,67.5) 57,66.6 ; v1(57,82.5) 57,81.6 ; v1(57,97.5) 57,96.6 ; v1(57,112.5) 57,111.6
  In1.Cu w0.2: v1(57,127.5) 55.01,129.49 v2(31.51,129.49)
  In3.Cu w0.25: 56.21,19.31 57,20.1 v1(57,22.5) ; 56.21,19.31 56.21,18.76 55.41,17.96 55.41,16.19 52.25,13.03 v2(52.25,2.65) ; 56.21,19.31 56.22,19.31
  In3.Cu w0.5: v1(57,127.5) 57,125.5 57.8,124.65 57.8,123.67 57,122.87 v1(57,112.5) 57,110.5 57.8,109.65 57.8,108.67 57,107.87 v1(57,97.5) 57,95.5 57.8,94.65 57.8,93.67 57,92.87 v1(57,82.5) 57,80.5 57.8,79.65 57.8,78.67 57,77.87 v1(57,67.5) 57,65.5 57.8,64.65 57.8,63.67 57,62.87 v1(57,52.5) 57,50.5 57.8,49.65 57.8,48.67 57,47.87 v1(57,37.5) 57,35.5 57.8,34.65 57.8,33.67 57,32.87 v1(57,22.5)
  Bottom w0.3: v2(52.25,2.65) J301.42
/USER_2: length 129.8
  Top w0.5: v1(58.6,124.1) 58.6,123.2 ; v1(58.6,19.1) 58.6,18.2 ; v1(58.6,34.1) 58.6,33.2 ; v1(58.6,49.1) 58.6,48.2 ; v1(58.6,64.1) 58.6,63.2 ; v1(58.6,79.1) 58.6,78.2 ; v1(58.6,94.1) 58.6,93.2 ; v1(58.6,109.1) 58.6,108.2
  In1.Cu w0.5: v1(58.6,124.1) 58.6,122.3 59.4,121.5 59.4,112.1 58.6,111.3 v1(58.6,109.1) 58.6,107.3 59.4,106.5 59.4,97.1 58.6,96.3 v1(58.6,94.1) 58.6,92.3 59.4,91.5 59.4,82.1 58.6,81.3 v1(58.6,79.1) 58.6,77.3 59.4,76.5 59.4,67.1 58.6,66.3 v1(58.6,64.1) 58.6,62.3 59.4,61.5 59.4,52.1 58.6,51.3 v1(58.6,49.1) 58.6,47.3 59.4,46.5 59.4,37.1 58.6,36.3 v1(58.6,34.1) 58.6,32.3 59.4,31.5 59.4,22.1 58.6,21.3 v1(58.6,19.1)
  Bottom w0.25: v1(58.6,19.1) 58.6,16.45 53.25,11.1 J301.45
/USER_3: length 139.8
  Top w0.5: v1(58.6,127.5) 58.6,126.6 ; v1(58.6,22.5) 58.6,21.6 ; v1(58.6,37.5) 58.6,36.6 ; v1(58.6,52.5) 58.6,51.6 ; v1(58.6,67.5) 58.6,66.6 ; v1(58.6,82.5) 58.6,81.6 ; v1(58.6,97.5) 58.6,96.6 ; v1(58.6,112.5) 58.6,111.6
  In3.Cu w0.25: v2(53.25,2.65) 53.25,12.45 57,16.2 57,17.86 57.81,18.67 57.81,19.36 58.6,20.15 v1(58.6,22.5)
  In3.Cu w0.5: v1(58.6,127.5) 58.6,125.5 59.4,124.65 59.4,123.67 58.6,122.87 v1(58.6,112.5) 58.6,110.5 59.4,109.65 59.4,108.67 58.6,107.87 v1(58.6,97.5) 58.6,95.5 59.4,94.65 59.4,93.67 58.6,92.87 v1(58.6,82.5) 58.6,80.5 59.4,79.65 59.4,78.67 58.6,77.87 v1(58.6,67.5) 58.6,65.5 59.4,64.65 59.4,63.67 58.6,62.87 v1(58.6,52.5) 58.6,50.5 59.4,49.65 59.4,48.67 58.6,47.87 v1(58.6,37.5) 58.6,35.5 59.4,34.65 59.4,33.67 58.6,32.87 v1(58.6,22.5)
  Bottom w0.3: v2(53.25,2.65) J301.46
CHS: length 7.3
  Top w0.25: 72.1,70.1 72.2,70 ; 5.87,2.93 5.8,3 ; 76.97,29.2 J107.7
  Top w0.5: v1(7.02,70) C102.2 ; v1(7.02,3) C103.2 ; v1(70.95,135) 70.48,135 ; v1(70.95,70) 70.48,70 ; v1(70.95,3) 70.48,3 ; v1(2.1,132.85) C101.2 ; v1(0.77,10.68) R100.2
  Top w0.6: v3(5.88,24.15) 5.88,25.34 ; v3(70.88,25.4) 70.88,26.59 ; v3(70.98,115.3) 70.98,116.5 70.97,116.5
Net-(Q600-Pad1): length 1.1
  Top w0.2: R605.2 26.55,134.98 Q600.1
Net-(Q600-Pad2): length 3.5
  Top w0.2: Q600.2 25.27,132.35 R602.1
Net-(Q601-Pad1): length 1
  Top w0.2: R606.2 29.35,135 Q601.1
Net-(Q601-Pad2): length 3.6
  Top w0.2: R603.1 28.06,132.35 Q601.2
Net-(Q602-Pad1): length 1
  Top w0.2: Q602.1 32.14,135 R607.2
Net-(Q602-Pad2): length 3.6
  Top w0.2: Q602.2 30.86,132.35 R604.1
Net-(Q603-Pad1): length 1.5
  Top w0.2: R609.2 35.97,133.98 Q603.1
Net-(R600-Pad2): length 3.5
  Top w0.2: U600.20 13.33,134.99 14.17,135.83 R600.2
Net-(R601-Pad2): length 3.5
  Top w0.2: R601.2 21.18,135.76 20.45,135.03 U601.20
Net-(U601-Pad10): length 0.7
  Top w0.2: 19.95,130.66 v2(19.95,129.93)
Net-(U601-Pad11): length 1.1
  Top w0.2: 20.45,130.66 v2(20.45,129.55)
Net-(U601-Pad12): length 0.7
  Top w0.2: 20.95,130.66 v2(20.95,129.94)

## Copper pours and planes (outline as drawn; the poured copper is in the pictures)
/5V_USB on In4.Cu: 78.5,138 78.5,0 -0.5,0 -0.5,138
GND on In1.Cu: 78.5,138 78.5,0 -0.5,0 -0.5,138
GND on In2.Cu: 78.5,138 78.5,0 -0.5,0 -0.5,138
GND on In3.Cu: 78.5,138 78.5,0 -0.5,0 -0.5,138
CHS on Top: 78.5,138 78.5,0 -0.5,0 -0.5,138
CHS on Bottom: 78.5,0 -0.5,0 -0.5,138 78.5,138

## Text on the board
B.SilkS: RESET | SELF TEST
Dwgs.User: 2oz copper all layers
F.SilkS: +X SOLAR PANEL | +Y SOLAR PANEL | -X SOLAR PANEL | PWA CUBESAT BACKPLANE / P/N: SLI-OS-BP-001 / REV: A1
